# KiCad board Europe-ergo.kicad_pcb
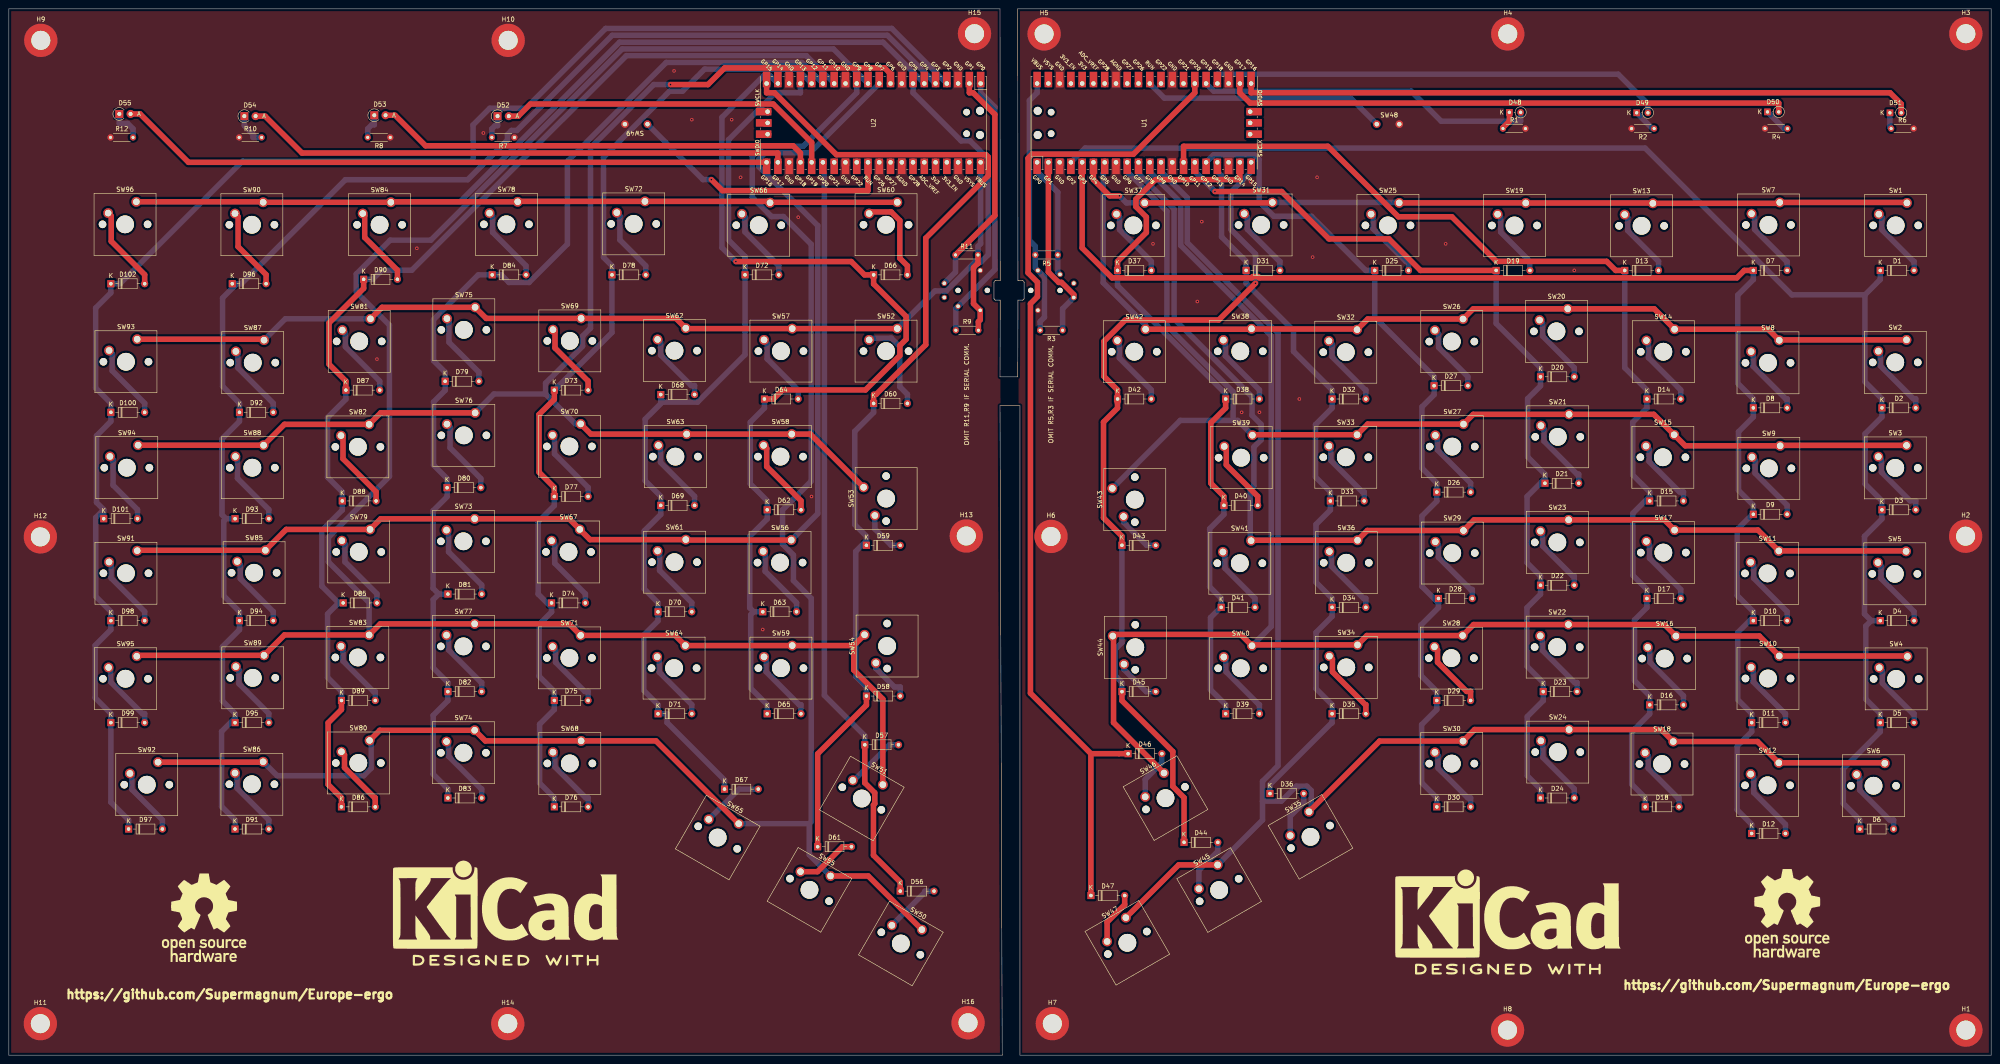
[diagram p0: board, top side]
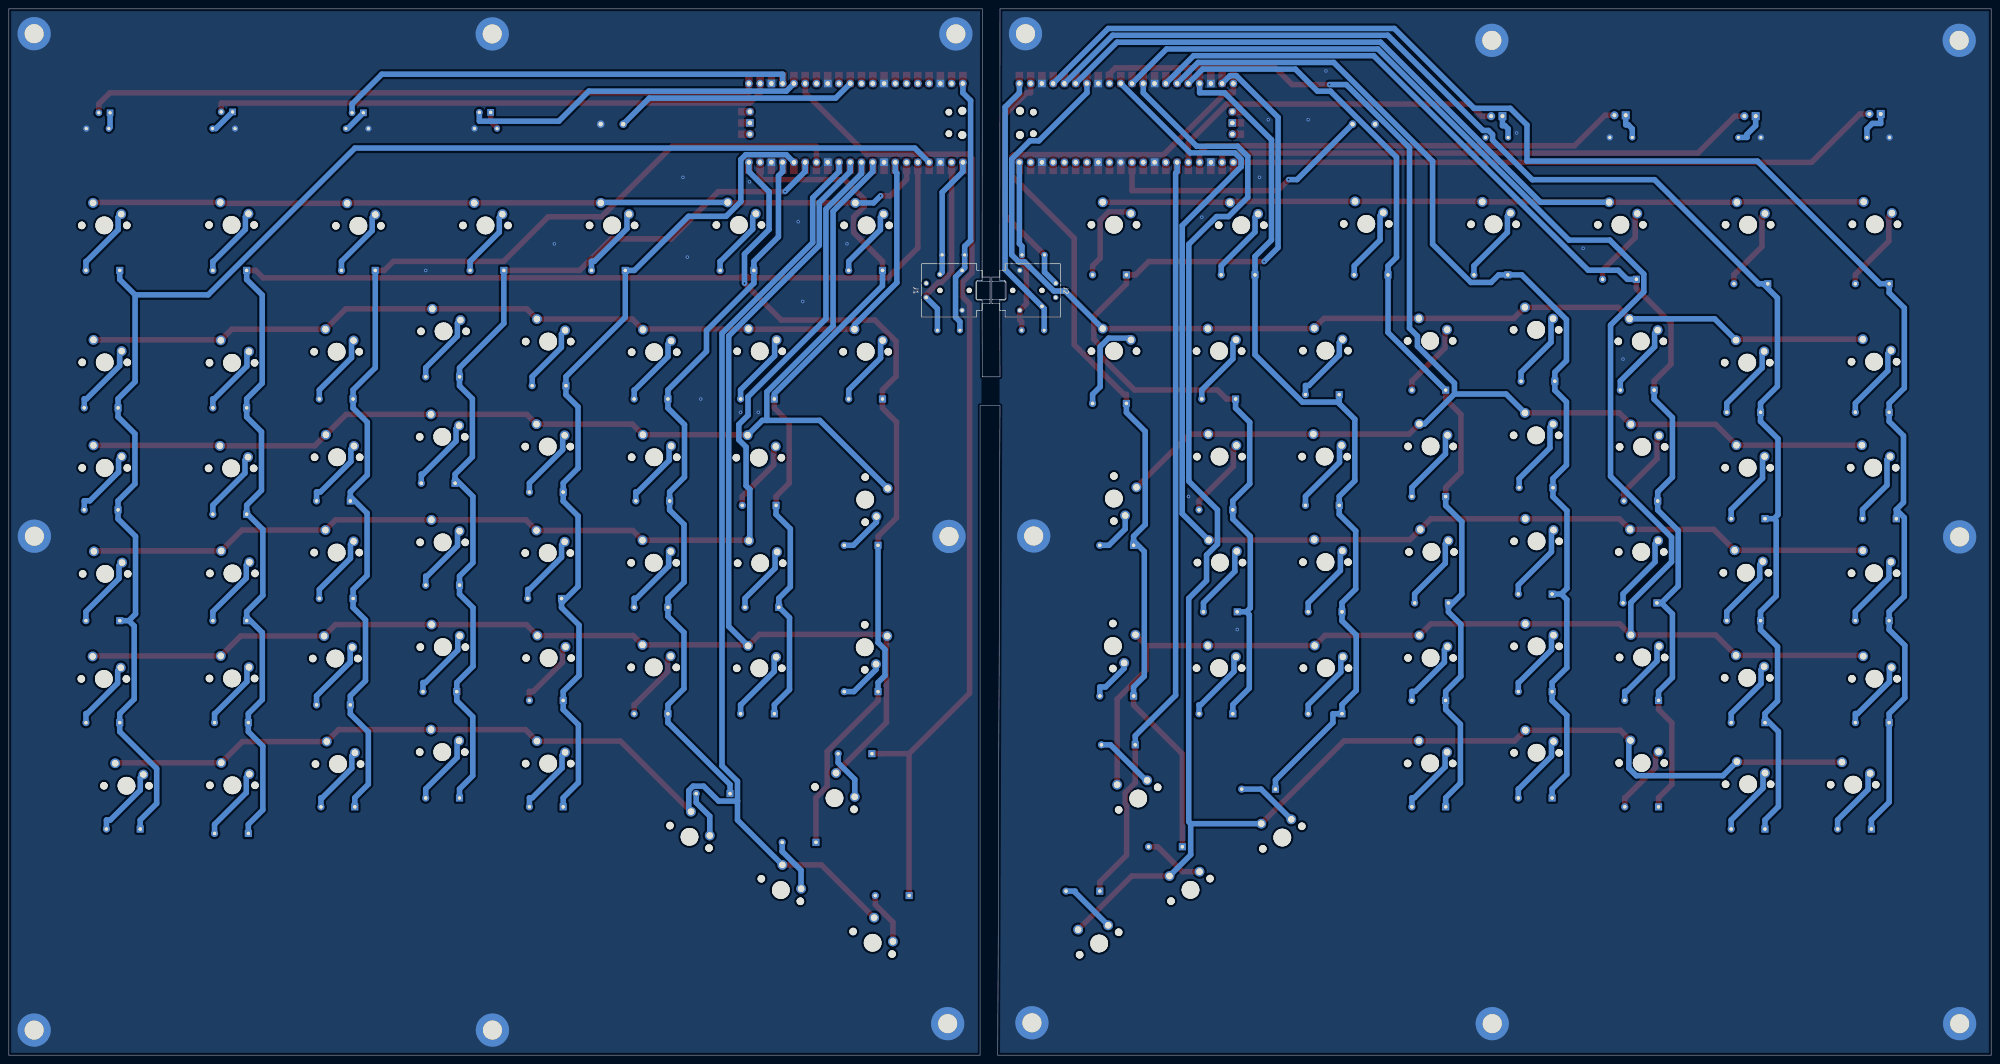
[diagram p1: board, bottom side, seen from below]

Outline 447 x 236 mm; copper layers: Top, Bottom. Coordinates in mm from the lower left corner of the outline.
Outline path: 223.54,179 223.5,236 0,236 0,0 224,0 223.5,146.5 228,146.5 228,0 447,0 447,236 227.5,236 227.54,179 ; 223.54,166 223.5,153 227.5,153 227.54,166
Stack: Top 0.035mm / dielectric 1.51mm FR4 er 4.5 / Bottom 0.035mm

## Placement (name value [footprint] x y rotation side)
D1  1N4148  [D_DO-35_SOD27_P7.62mm_Horizontal]  422 177 0 top
D2  1N4148  [D_DO-35_SOD27_P7.62mm_Horizontal]  422.38 146 0 top
D3  1N4148  [D_DO-35_SOD27_P7.62mm_Horizontal]  422.38 123 0 top
D4  1N4148  [D_DO-35_SOD27_P7.62mm_Horizontal]  422 98 0 top
D5  1N4148  [D_DO-35_SOD27_P7.62mm_Horizontal]  422 75 0 top
D6  1N4148  [D_DO-35_SOD27_P7.62mm_Horizontal]  417.38 51 0 top
D7  1N4148  [D_DO-35_SOD27_P7.62mm_Horizontal]  393.38 177 0 top
D8  1N4148  [D_DO-35_SOD27_P7.62mm_Horizontal]  393.38 146 0 top
D9  1N4148  [D_DO-35_SOD27_P7.62mm_Horizontal]  393.38 122 0 top
D10  1N4148  [D_DO-35_SOD27_P7.62mm_Horizontal]  393.38 98 0 top
D11  1N4148  [D_DO-35_SOD27_P7.62mm_Horizontal]  393 75 0 top
D12  1N4148  [D_DO-35_SOD27_P7.62mm_Horizontal]  393 50 0 top
D13  1N4148  [D_DO-35_SOD27_P7.62mm_Horizontal]  364.38 177 0 top
D14  1N4148  [D_DO-35_SOD27_P7.62mm_Horizontal]  369.38 148 0 top
D15  1N4148  [D_DO-35_SOD27_P7.62mm_Horizontal]  370 125 0 top
D16  1N4148  [D_DO-35_SOD27_P7.62mm_Horizontal]  370 79 0 top
D17  1N4148  [D_DO-35_SOD27_P7.62mm_Horizontal]  369.38 103 0 top
D18  1N4148  [D_DO-35_SOD27_P7.62mm_Horizontal]  369 56 0 top
D19  1N4148  [D_DO-35_SOD27_P7.62mm_Horizontal]  335.38 177 0 top
D20  1N4148  [D_DO-35_SOD27_P7.62mm_Horizontal]  345.38 153 0 top
D21  1N4148  [D_DO-35_SOD27_P7.62mm_Horizontal]  346.38 129 0 top
D22  1N4148  [D_DO-35_SOD27_P7.62mm_Horizontal]  345.38 106 0 top
D23  1N4148  [D_DO-35_SOD27_P7.62mm_Horizontal]  346 82 0 top
D24  1N4148  [D_DO-35_SOD27_P7.62mm_Horizontal]  345.38 58 0 top
D25  1N4148  [D_DO-35_SOD27_P7.62mm_Horizontal]  308 177 0 top
D26  1N4148  [D_DO-35_SOD27_P7.62mm_Horizontal]  322 127 0 top
D27  1N4148  [D_DO-35_SOD27_P7.62mm_Horizontal]  321.38 151 0 top
D28  1N4148  [D_DO-35_SOD27_P7.62mm_Horizontal]  322.38 103 0 top
D29  1N4148  [D_DO-35_SOD27_P7.62mm_Horizontal]  322 80 0 top
D30  1N4148  [D_DO-35_SOD27_P7.62mm_Horizontal]  322 56 0 top
D31  1N4148  [D_DO-35_SOD27_P7.62mm_Horizontal]  279 177 0 top
D32  1N4148  [D_DO-35_SOD27_P7.62mm_Horizontal]  298.38 148 0 top
D33  1N4148  [D_DO-35_SOD27_P7.62mm_Horizontal]  298 125 0 top
D34  1N4148  [D_DO-35_SOD27_P7.62mm_Horizontal]  298.38 101 0 top
D35  1N4148  [D_DO-35_SOD27_P7.62mm_Horizontal]  298.38 77 0 top
D36  1N4148  [D_DO-35_SOD27_P7.62mm_Horizontal]  284.38 59 0 top
D37  1N4148  [D_DO-35_SOD27_P7.62mm_Horizontal]  250 177 0 top
D38  1N4148  [D_DO-35_SOD27_P7.62mm_Horizontal]  274.38 148 0 top
D39  1N4148  [D_DO-35_SOD27_P7.62mm_Horizontal]  274.38 77 0 top
D40  1N4148  [D_DO-35_SOD27_P7.62mm_Horizontal]  274 124 0 top
D41  1N4148  [D_DO-35_SOD27_P7.62mm_Horizontal]  273.38 101 0 top
D42  1N4148  [D_DO-35_SOD27_P7.62mm_Horizontal]  250 148 0 top
D43  1N4148  [D_DO-35_SOD27_P7.62mm_Horizontal]  251 115 0 top
D44  1N4148  [D_DO-35_SOD27_P7.62mm_Horizontal]  265 48 0 top
D45  1N4148  [D_DO-35_SOD27_P7.62mm_Horizontal]  251 82 0 top
D46  1N4148  [D_DO-35_SOD27_P7.62mm_Horizontal]  252.38 68 0 top
D47  1N4148  [D_DO-35_SOD27_P7.62mm_Horizontal]  244 36 0 top
D48  LED  [D_DO-34_SOD68_P2.54mm_Vertical_KathodeUp]  338.36 212.66 0 top
D49  LED  [D_DO-34_SOD68_P2.54mm_Vertical_KathodeUp]  367.06 212.56 0 top
D50  LED  [D_DO-34_SOD68_P2.54mm_Vertical_KathodeUp]  396.56 212.76 0 top
D51  LED  [D_DO-34_SOD68_P2.54mm_Vertical_KathodeUp]  424.18 212.56 0 top
D52  LTL-4233  [D_A-405_P2.54mm_Vertical_AnodeUp]  110.2 211.8 0 top
D53  LTL-4233  [D_A-405_P2.54mm_Vertical_AnodeUp]  82.4 212 0 top
D54  LTL-4233  [D_A-405_P2.54mm_Vertical_AnodeUp]  53.1 211.8 0 top
D55  LTL-4233  [D_A-405_P2.54mm_Vertical_AnodeUp]  24.9 212.3 0 top
D56  1N4148  [D_DO-35_SOD27_P7.62mm_Horizontal]  201 37 0 top
D57  1N4148  [D_DO-35_SOD27_P7.62mm_Horizontal]  193 70 0 top
D58  1N4148  [D_DO-35_SOD27_P7.62mm_Horizontal]  193.38 81 0 top
D59  1N4148  [D_DO-35_SOD27_P7.62mm_Horizontal]  193.38 115 0 top
D60  1N4148  [D_DO-35_SOD27_P7.62mm_Horizontal]  195 147 0 top
D61  1N4148  [D_DO-35_SOD27_P7.62mm_Horizontal]  182.38 47 0 top
D62  1N4148  [D_DO-35_SOD27_P7.62mm_Horizontal]  171 123 0 top
D63  1N4148  [D_DO-35_SOD27_P7.62mm_Horizontal]  170 100 0 top
D64  1N4148  [D_DO-35_SOD27_P7.62mm_Horizontal]  170.38 148 0 top
D65  1N4148  [D_DO-35_SOD27_P7.62mm_Horizontal]  171 77 0 top
D66  1N4148  [D_DO-35_SOD27_P7.62mm_Horizontal]  195 176 0 top
D67  1N4148  [D_DO-35_SOD27_P7.62mm_Horizontal]  161.38 60 0 top
D68  1N4148  [D_DO-35_SOD27_P7.62mm_Horizontal]  147 149 0 top
D69  1N4148  [D_DO-35_SOD27_P7.62mm_Horizontal]  147 124 0 top
D70  1N4148  [D_DO-35_SOD27_P7.62mm_Horizontal]  146.38 100 0 top
D71  1N4148  [D_DO-35_SOD27_P7.62mm_Horizontal]  146.38 77 0 top
D72  1N4148  [D_DO-35_SOD27_P7.62mm_Horizontal]  166 176 0 top
D73  1N4148  [D_DO-35_SOD27_P7.62mm_Horizontal]  123 150 0 top
D74  1N4148  [D_DO-35_SOD27_P7.62mm_Horizontal]  122.38 102 0 top
D75  1N4148  [D_DO-35_SOD27_P7.62mm_Horizontal]  123 80 0 top
D76  1N4148  [D_DO-35_SOD27_P7.62mm_Horizontal]  123 56 0 top
D77  1N4148  [D_DO-35_SOD27_P7.62mm_Horizontal]  123 126 0 top
D78  1N4148  [D_DO-35_SOD27_P7.62mm_Horizontal]  136 176 0 top
D79  1N4148  [D_DO-35_SOD27_P7.62mm_Horizontal]  98.38 152 0 top
D80  1N4148  [D_DO-35_SOD27_P7.62mm_Horizontal]  98.81 128 0 top
D81  1N4148  [D_DO-35_SOD27_P7.62mm_Horizontal]  99 104 0 top
D82  1N4148  [D_DO-35_SOD27_P7.62mm_Horizontal]  99 82 0 top
D83  1N4148  [D_DO-35_SOD27_P7.62mm_Horizontal]  99 58 0 top
D84  1N4148  [D_DO-35_SOD27_P7.62mm_Horizontal]  109 176 0 top
D85  1N4148  [D_DO-35_SOD27_P7.62mm_Horizontal]  75.38 102 0 top
D86  1N4148  [D_DO-35_SOD27_P7.62mm_Horizontal]  75 56 0 top
D87  1N4148  [D_DO-35_SOD27_P7.62mm_Horizontal]  76 150 0 top
D88  1N4148  [D_DO-35_SOD27_P7.62mm_Horizontal]  75.19 125 0 top
D89  1N4148  [D_DO-35_SOD27_P7.62mm_Horizontal]  75 80 0 top
D90  1N4148  [D_DO-35_SOD27_P7.62mm_Horizontal]  80 175 0 top
D91  1N4148  [D_DO-35_SOD27_P7.62mm_Horizontal]  51 51 0 top
D92  1N4148  [D_DO-35_SOD27_P7.62mm_Horizontal]  52 145 0 top
D93  1N4148  [D_DO-35_SOD27_P7.62mm_Horizontal]  51 121 0 top
D94  1N4148  [D_DO-35_SOD27_P7.62mm_Horizontal]  52 98 0 top
D95  1N4148  [D_DO-35_SOD27_P7.62mm_Horizontal]  51 75 0 top
D96  1N4148  [D_DO-35_SOD27_P7.62mm_Horizontal]  50.38 174 0 top
D97  1N4148  [D_DO-35_SOD27_P7.62mm_Horizontal]  27 51 0 top
D98  1N4148  [D_DO-35_SOD27_P7.62mm_Horizontal]  23 98 0 top
D99  1N4148  [D_DO-35_SOD27_P7.62mm_Horizontal]  23 75 0 top
D100  1N4148  [D_DO-35_SOD27_P7.62mm_Horizontal]  23 145 0 top
D101  1N4148  [D_DO-35_SOD27_P7.62mm_Horizontal]  21.38 121 0 top
D102  1N4148  [D_DO-35_SOD27_P7.62mm_Horizontal]  23 174 0 top
H1  MountingHole_Pad  [MountingHole_4.3mm_M4_DIN965_Pad]  441.3 5.65 0 top
H2  MountingHole_Pad  [MountingHole_4.3mm_M4_DIN965_Pad]  441.25 117.05 0 top
H3  MountingHole_Pad  [MountingHole_4.3mm_M4_DIN965_Pad]  441.3 230.4 0 top
H4  MountingHole_Pad  [MountingHole_4.3mm_M4_DIN965_Pad]  338 230.35 0 top
H5  MountingHole_Pad  [MountingHole_4.3mm_M4_DIN965_Pad]  233.45 230.35 0 top
H6  MountingHole_Pad  [MountingHole_4.3mm_M4_DIN965_Pad]  235 117 0 top
H7  MountingHole_Pad  [MountingHole_4.3mm_M4_DIN965_Pad]  235.3 7.1 0 top
H8  MountingHole_Pad  [MountingHole_4.3mm_M4_DIN965_Pad]  337.95 5.65 0 top
H9  MountingHole_Pad  [MountingHole_4.3mm_M4_DIN965_Pad]  7.2 228.9 0 top
H10  MountingHole_Pad  [MountingHole_4.3mm_M4_DIN965_Pad]  112.6 228.9 0 top
H11  MountingHole_Pad  [MountingHole_4.3mm_M4_DIN965_Pad]  7.1 7.1 0 top
H12  MountingHole_Pad  [MountingHole_4.3mm_M4_DIN965_Pad]  7.1 116.9 0 top
H13  MountingHole_Pad  [MountingHole_4.3mm_M4_DIN965_Pad]  215.9 117.1 0 top
H14  MountingHole_Pad  [MountingHole_4.3mm_M4_DIN965_Pad]  112.5 7.1 0 top
H15  MountingHole_Pad  [MountingHole_4.3mm_M4_DIN965_Pad]  217.75 230.4 0 top
H16  MountingHole_Pad  [MountingHole_4.3mm_M4_DIN965_Pad]  216.3 7.3 0 top
J1  Conn_01x04_Male/I2C  [Jack_3.5mm_CUI_SJ1-43514_Horizontal]  232.04 172.5 90 bottom
J2  Conn_01x04_Male  [Jack_3.5mm_CUI_SJ1-43514_Horizontal]  219.04 172.5 270 bottom
R1  330  [R_Axial_DIN0204_L3.6mm_D1.6mm_P5.08mm_Horizontal]  336.92 209 0 top
R2  330  [R_Axial_DIN0204_L3.6mm_D1.6mm_P5.08mm_Horizontal]  371 209 180 top
R3  4.7K  [R_Axial_DIN0204_L3.6mm_D1.6mm_P5.08mm_Horizontal]  237.62 163.5 180 top
R4  330  [R_Axial_DIN0204_L3.6mm_D1.6mm_P5.08mm_Horizontal]  401.08 209 180 top
R5  4.7K  [R_Axial_DIN0204_L3.6mm_D1.6mm_P5.08mm_Horizontal]  236.54 180.5 180 top
R6  330  [R_Axial_DIN0204_L3.6mm_D1.6mm_P5.08mm_Horizontal]  424.46 209 0 top
R7  330  [R_Axial_DIN0204_L3.6mm_D1.6mm_P5.08mm_Horizontal]  114 207 180 top
R8  330  [R_Axial_DIN0204_L3.6mm_D1.6mm_P5.08mm_Horizontal]  86 207 180 top
R9  4.7K  [R_Axial_DIN0204_L3.6mm_D1.6mm_P5.08mm_Horizontal]  213.54 163.5 0 top
R10  330  [R_Axial_DIN0204_L3.6mm_D1.6mm_P5.08mm_Horizontal]  51.92 207 0 top
R11  4.7K  [R_Axial_DIN0204_L3.6mm_D1.6mm_P5.08mm_Horizontal]  213.46 180.5 0 top
R12  330  [R_Axial_DIN0204_L3.6mm_D1.6mm_P5.08mm_Horizontal]  22.92 207 0 top
REF**  -  [OSHW-Logo_19x20mm_SilkScreen]  44 31 0 top
REF**#2  -  [KiCad-Logo2_20mm_SilkScreen]  112 34 0 top
REF**#3  -  [KiCad-Logo2_20mm_SilkScreen]  338 32 0 top
REF**#4  -  [OSHW-Logo_19x20mm_SilkScreen]  401 32 0 top
SW1  MX-NO-LED  [SW_Cherry_MX_1.00u_PCB]  428.02 192.24 0 top
SW2  MX-NO-LED  [SW_Cherry_MX_1.50u_PCB]  427.92 161.34 0 top
SW3  MX-NO-LED  [SW_Cherry_MX_1.50u_PCB]  427.92 137.54 0 top
SW4  MX-NO-LED  [SW_Cherry_MX_1.50u_PCB]  428.12 89.94 0 top
SW5  MX-NO-LED  [SW_Cherry_MX_1.50u_PCB]  427.82 113.64 0 top
SW6  MX-NO-LED  [SW_Cherry_MX_1.00u_PCB]  423.02 65.84 0 top
SW7  MX-NO-LED  [SW_Cherry_MX_1.00u_PCB]  399.32 192.34 0 top
SW8  MX-NO-LED  [SW_Cherry_MX_1.00u_PCB]  399.22 161.24 0 top
SW9  MX-NO-LED  [SW_Cherry_MX_1.00u_PCB]  399.42 137.44 0 top
SW10  MX-NO-LED  [SW_Cherry_MX_1.00u_PCB]  399.22 90.04 0 top
SW11  MX-NO-LED  [SW_Cherry_MX_1.00u_PCB]  399.12 113.74 0 top
SW12  MX-NO-LED  [SW_Cherry_MX_1.00u_PCB]  399.12 65.94 0 top
SW13  MX-NO-LED  [SW_Cherry_MX_1.00u_PCB]  370.72 192.14 0 top
SW14  MX-NO-LED  [SW_Cherry_MX_1.00u_PCB]  375.62 163.74 0 top
SW15  MX-NO-LED  [SW_Cherry_MX_1.00u_PCB]  375.52 139.94 0 top
SW16  MX-NO-LED  [SW_Cherry_MX_1.00u_PCB]  375.92 94.54 0 top
SW17  MX-NO-LED  [SW_Cherry_MX_1.00u_PCB]  375.62 118.44 0 top
SW18  MX-NO-LED  [SW_Cherry_MX_1.00u_PCB]  375.32 70.74 0 top
SW19  MX-NO-LED  [SW_Cherry_MX_1.00u_PCB]  342.06 192.22 0 top
SW20  MX-NO-LED  [SW_Cherry_MX_1.00u_PCB]  351.52 168.34 0 top
SW21  MX-NO-LED  [SW_Cherry_MX_1.00u_PCB]  351.82 144.54 0 top
SW22  MX-NO-LED  [SW_Cherry_MX_1.00u_PCB]  351.68 97.12 0 top
SW23  MX-NO-LED  [SW_Cherry_MX_1.00u_PCB]  351.72 120.74 0 top
SW24  MX-NO-LED  [SW_Cherry_MX_1.00u_PCB]  351.82 73.44 0 top
SW25  MX-NO-LED  [SW_Cherry_MX_1.00u_PCB]  313.52 192.24 0 top
SW26  MX-NO-LED  [SW_Cherry_MX_1.00u_PCB]  327.92 166.04 0 top
SW27  MX-NO-LED  [SW_Cherry_MX_1.00u_PCB]  328.02 142.34 0 top
SW28  MX-NO-LED  [SW_Cherry_MX_1.00u_PCB]  327.82 94.64 0 top
SW29  MX-NO-LED  [SW_Cherry_MX_1.00u_PCB]  328.02 118.34 0 top
SW30  MX-NO-LED  [SW_Cherry_MX_1.00u_PCB]  327.92 70.84 0 top
SW31  MX-NO-LED  [SW_Cherry_MX_1.00u_PCB]  284.92 192.34 0 top
SW32  MX-NO-LED  [SW_Cherry_MX_1.00u_PCB]  304.02 163.64 0 top
SW33  MX-NO-LED  [SW_Cherry_MX_1.00u_PCB]  304.02 139.94 0 top
SW34  MX-NO-LED  [SW_Cherry_MX_1.00u_PCB]  304.12 92.54 0 top
SW35  MX-NO-LED  [SW_Cherry_MX_1.00u_PCB]  293.18 54.91 30 top
SW36  MX-NO-LED  [SW_Cherry_MX_1.00u_PCB]  304.12 116.14 0 top
SW37  MX-NO-LED  [SW_Cherry_MX_1.00u_PCB]  256.12 192.24 0 top
SW38  MX-NO-LED  [SW_Cherry_MX_1.00u_PCB]  280.22 163.84 0 top
SW39  MX-NO-LED  [SW_Cherry_MX_1.00u_PCB]  280.42 139.84 0 top
SW40  MX-NO-LED  [SW_Cherry_MX_1.00u_PCB]  280.32 92.34 0 top
SW41  MX-NO-LED  [SW_Cherry_MX_1.00u_PCB]  280.12 116.04 0 top
SW42  MX-NO-LED  [SW_Cherry_MX_1.00u_PCB]  256.32 163.74 0 top
SW43  MX-NO-LED  [SW_Cherry_MX_1.50u_PCB]  248.82 127.84 90 top
SW44  MX-NO-LED  [SW_Cherry_MX_1.50u_PCB]  248.92 94.54 90 top
SW45  MX-NO-LED  [SW_Cherry_MX_1.00u_PCB]  272.58 42.91 30 top
SW46  MX-NO-LED  [SW_Cherry_MX_1.00u_PCB]  260.48 63.64 30 top
SW47  MX-NO-LED  [SW_Cherry_MX_1.00u_PCB]  251.88 31.01 30 top
SW48  SW_Push  [switch_P5.08mm]  308.46 210 0 top
SW49  SW_Push  [switch_P5.08mm]  144 210 180 top
SW50  MX-NO-LED  [SW_Cherry_MX_1.00u_PCB]  205.88 28.31 330 top
SW51  MX-NO-LED  [SW_Cherry_MX_1.00u_PCB]  197.08 61.01 330 top
SW52  MX-NO-LED  [SW_Cherry_MX_1.00u_PCB]  200.34 163.88 0 top
SW53  MX-NO-LED  [SW_Cherry_MX_1.50u_PCB]  192.74 128.08 90 top
SW54  MX-NO-LED  [SW_Cherry_MX_1.50u_PCB]  192.96 94.82 90 top
SW55  MX-NO-LED  [SW_Cherry_MX_1.00u_PCB]  185.28 40.41 330 top
SW56  MX-NO-LED  [SW_Cherry_MX_1.00u_PCB]  176.44 116.18 0 top
SW57  MX-NO-LED  [SW_Cherry_MX_1.00u_PCB]  176.64 163.88 0 top
SW58  MX-NO-LED  [SW_Cherry_MX_1.00u_PCB]  176.54 140.08 0 top
SW59  MX-NO-LED  [SW_Cherry_MX_1.00u_PCB]  176.64 92.38 0 top
SW60  MX-NO-LED  [SW_Cherry_MX_1.00u_PCB]  200.34 192.38 0 top
SW61  MX-NO-LED  [SW_Cherry_MX_1.00u_PCB]  152.64 116.28 0 top
SW62  MX-NO-LED  [SW_Cherry_MX_1.00u_PCB]  152.64 163.98 0 top
SW63  MX-NO-LED  [SW_Cherry_MX_1.00u_PCB]  152.84 140.08 0 top
SW64  MX-NO-LED  [SW_Cherry_MX_1.00u_PCB]  152.54 92.38 0 top
SW65  MX-NO-LED  [SW_Cherry_MX_1.00u_PCB]  164.58 52.21 330 top
SW66  MX-NO-LED  [SW_Cherry_MX_1.00u_PCB]  171.64 192.28 0 top
SW67  MX-NO-LED  [SW_Cherry_MX_1.00u_PCB]  128.74 118.58 0 top
SW68  MX-NO-LED  [SW_Cherry_MX_1.00u_PCB]  129.04 70.88 0 top
SW69  MX-NO-LED  [SW_Cherry_MX_1.00u_PCB]  129.04 166.18 0 top
SW70  MX-NO-LED  [SW_Cherry_MX_1.00u_PCB]  128.94 142.38 0 top
SW71  MX-NO-LED  [SW_Cherry_MX_1.00u_PCB]  128.94 94.68 0 top
SW72  MX-NO-LED  [SW_Cherry_MX_1.00u_PCB]  143.44 192.58 0 top
SW73  MX-NO-LED  [SW_Cherry_MX_1.00u_PCB]  105.04 120.98 0 top
SW74  MX-NO-LED  [SW_Cherry_MX_1.00u_PCB]  105.04 73.28 0 top
SW75  MX-NO-LED  [SW_Cherry_MX_1.00u_PCB]  105.14 168.68 0 top
SW76  MX-NO-LED  [SW_Cherry_MX_1.00u_PCB]  105.14 144.88 0 top
SW77  MX-NO-LED  [SW_Cherry_MX_1.00u_PCB]  105.04 97.28 0 top
SW78  MX-NO-LED  [SW_Cherry_MX_1.00u_PCB]  114.74 192.48 0 top
SW79  MX-NO-LED  [SW_Cherry_MX_1.00u_PCB]  81.44 118.58 0 top
SW80  MX-NO-LED  [SW_Cherry_MX_1.00u_PCB]  81.34 70.98 0 top
SW81  MX-NO-LED  [SW_Cherry_MX_1.00u_PCB]  81.54 166.08 0 top
SW82  MX-NO-LED  [SW_Cherry_MX_1.00u_PCB]  81.24 142.28 0 top
SW83  MX-NO-LED  [SW_Cherry_MX_1.00u_PCB]  81.24 94.78 0 top
SW84  MX-NO-LED  [SW_Cherry_MX_1.00u_PCB]  86.14 192.38 0 top
SW85  MX-NO-LED  [SW_Cherry_MX_1.00u_PCB]  57.84 113.88 0 top
SW86  MX-NO-LED  [SW_Cherry_MX_1.00u_PCB]  57.34 66.18 0 top
SW87  MX-NO-LED  [SW_Cherry_MX_1.00u_PCB]  57.54 161.28 0 top
SW88  MX-NO-LED  [SW_Cherry_MX_1.00u_PCB]  57.44 137.58 0 top
SW89  MX-NO-LED  [SW_Cherry_MX_1.00u_PCB]  57.54 90.18 0 top
SW90  MX-NO-LED  [SW_Cherry_MX_1.00u_PCB]  57.34 192.38 0 top
SW91  MX-NO-LED  [SW_Cherry_MX_1.50u_PCB]  28.94 113.78 0 top
SW92  MX-NO-LED  [SW_Cherry_MX_1.00u_PCB]  33.64 66.08 0 top
SW93  MX-NO-LED  [SW_Cherry_MX_1.50u_PCB]  28.94 161.48 0 top
SW94  MX-NO-LED  [SW_Cherry_MX_1.50u_PCB]  29.14 137.58 0 top
SW95  MX-NO-LED  [SW_Cherry_MX_1.50u_PCB]  28.84 89.98 0 top
SW96  MX-NO-LED  [SW_Cherry_MX_1.00u_PCB]  28.74 192.48 0 top
U1  Pico  [RPi_Pico_SMD_TH]  256 210.28 90 top
U2  Pico  [RPi_Pico_SMD_TH]  195 210.28 270 top

## Library data of the parts
SW35 SW65 = -: Field4: arrow-left
SW45 SW55 = -: Field4: arrow-down
SW46 SW51 = -: Field4: arrow-up
SW47 SW50 = -: Field4: arrow-right

## Footprints (pads in the part's own frame, mm; a bottom-side part is the same pattern mirrored in y, then rotated)
D_A-405_P2.54mm_Vertical_AnodeUp
  rect 1.8x1.8 hole 0.9: 1(0,0)
  oval 1.8x1.8 hole 0.9: 2(2.54,0)
D_DO-34_SOD68_P2.54mm_Vertical_KathodeUp
  rect 1.5x1.5 hole 0.75: 1(0,0)
  oval 1.5x1.5 hole 0.75: 2(2.54,0)
D_DO-35_SOD27_P7.62mm_Horizontal
  rect 1.6x1.6 hole 0.8: 1(0,0)
  oval 1.6x1.6 hole 0.8: 2(7.62,0)
Jack_3.5mm_CUI_SJ1-43514_Horizontal
  round 1.2 hole 1.2 unplated: (0,-1.6) (0,5)
  round 1.2 hole 0.8: 1(-4.5,0) 2(3.6,5) 3(-1.6,8.1) 4(4.5,0) 5(1.6,8.1)
MountingHole_4.3mm_M4_DIN965_Pad
  round 7.5 hole 4.3: 1(0,0)
R_Axial_DIN0204_L3.6mm_D1.6mm_P5.08mm_Horizontal
  round 1.4 hole 0.7: 1(0,0)
  oval 1.4x1.4 hole 0.7: 2(5.08,0)
RPi_Pico_SMD_TH
  oval 1.8x1.8 hole 1.8 unplated: (-2.725,24) (2.725,24)
  oval 1.5x1.5 hole 1.5 unplated: (-2.425,20.97) (2.425,20.97)
  oval 1.7x1.7 hole 1.02: 1(-8.89,24.13) 2(-8.89,21.59) 4(-8.89,16.51) 5(-8.89,13.97) 6(-8.89,11.43) 7(-8.89,8.89) 9(-8.89,3.81) 10(-8.89,1.27) 11(-8.89,-1.27) 12(-8.89,-3.81) 14(-8.89,-8.89) 15(-8.89,-11.43) 16(-8.89,-13.97) 17(-8.89,-16.51) 19(-8.89,-21.59) 20(-8.89,-24.13) 21(8.89,-24.13) 22(8.89,-21.59) 24(8.89,-16.51) 25(8.89,-13.97) 26(8.89,-11.43) 27(8.89,-8.89) 29(8.89,-3.81) 30(8.89,-1.27) 31(8.89,1.27) 32(8.89,3.81) 34(8.89,8.89) 35(8.89,11.43) 36(8.89,13.97) 37(8.89,16.51) 39(8.89,21.59) 40(8.89,24.13) 41(-2.54,-23.9) 43(2.54,-23.9)
  rect 3.5x1.7 smd: 1(-8.89,24.13) 2(-8.89,21.59) 3(-8.89,19.05) 4(-8.89,16.51) 5(-8.89,13.97) 6(-8.89,11.43) 7(-8.89,8.89) 8(-8.89,6.35) 9(-8.89,3.81) 10(-8.89,1.27) 11(-8.89,-1.27) 12(-8.89,-3.81) 13(-8.89,-6.35) 14(-8.89,-8.89) 15(-8.89,-11.43) 16(-8.89,-13.97) 17(-8.89,-16.51) 18(-8.89,-19.05) 19(-8.89,-21.59) 20(-8.89,-24.13) 21(8.89,-24.13) 22(8.89,-21.59) 23(8.89,-19.05) 24(8.89,-16.51) 25(8.89,-13.97) 26(8.89,-11.43) 27(8.89,-8.89) 28(8.89,-6.35) 29(8.89,-3.81) 30(8.89,-1.27) 31(8.89,1.27) 32(8.89,3.81) 33(8.89,6.35) 34(8.89,8.89) 35(8.89,11.43) 36(8.89,13.97) 37(8.89,16.51) 38(8.89,19.05) 39(8.89,21.59) 40(8.89,24.13)
  rect 1.7x1.7 hole 1.02: 3(-8.89,19.05) 8(-8.89,6.35) 13(-8.89,-6.35) 18(-8.89,-19.05) 23(8.89,-19.05) 28(8.89,-6.35) 33(8.89,6.35) 38(8.89,19.05) 42(0,-23.9)
  rect 1.7x3.5 smd: 41(-2.54,-23.9) 42(0,-23.9) 43(2.54,-23.9)
SW_Cherry_MX_1.00u_PCB
  round 1.7 hole 1.7 unplated: (-7.62,-5.08) (2.54,-5.08)
  round 4 hole 4 unplated: (-2.54,-5.08)
  round 2.2 hole 1.5: 1(0,0) 2(-6.35,-2.54)
SW_Cherry_MX_1.50u_PCB
  round 1.7 hole 1.7 unplated: (-7.62,-5.08) (2.54,-5.08)
  round 4 hole 4 unplated: (-2.54,-5.08)
  round 2.2 hole 1.5: 1(0,0) 2(-6.35,-2.54)
switch_P5.08mm
  round 1.7 hole 1: 1(0,0) 2(5.08,0)
